# Altium PCB GS_V1.PcbDoc
Units mil, origin at the board's own origin, x right, y up, seen from the top; angles counter-clockwise.
Board outline 2895 x 1920 mil, 4 copper layers (Top Layer, GND, POWER, Bottom Layer), stack 23.756 mil thick; 62 components, 29 nets, 159 pads, 75 vias.
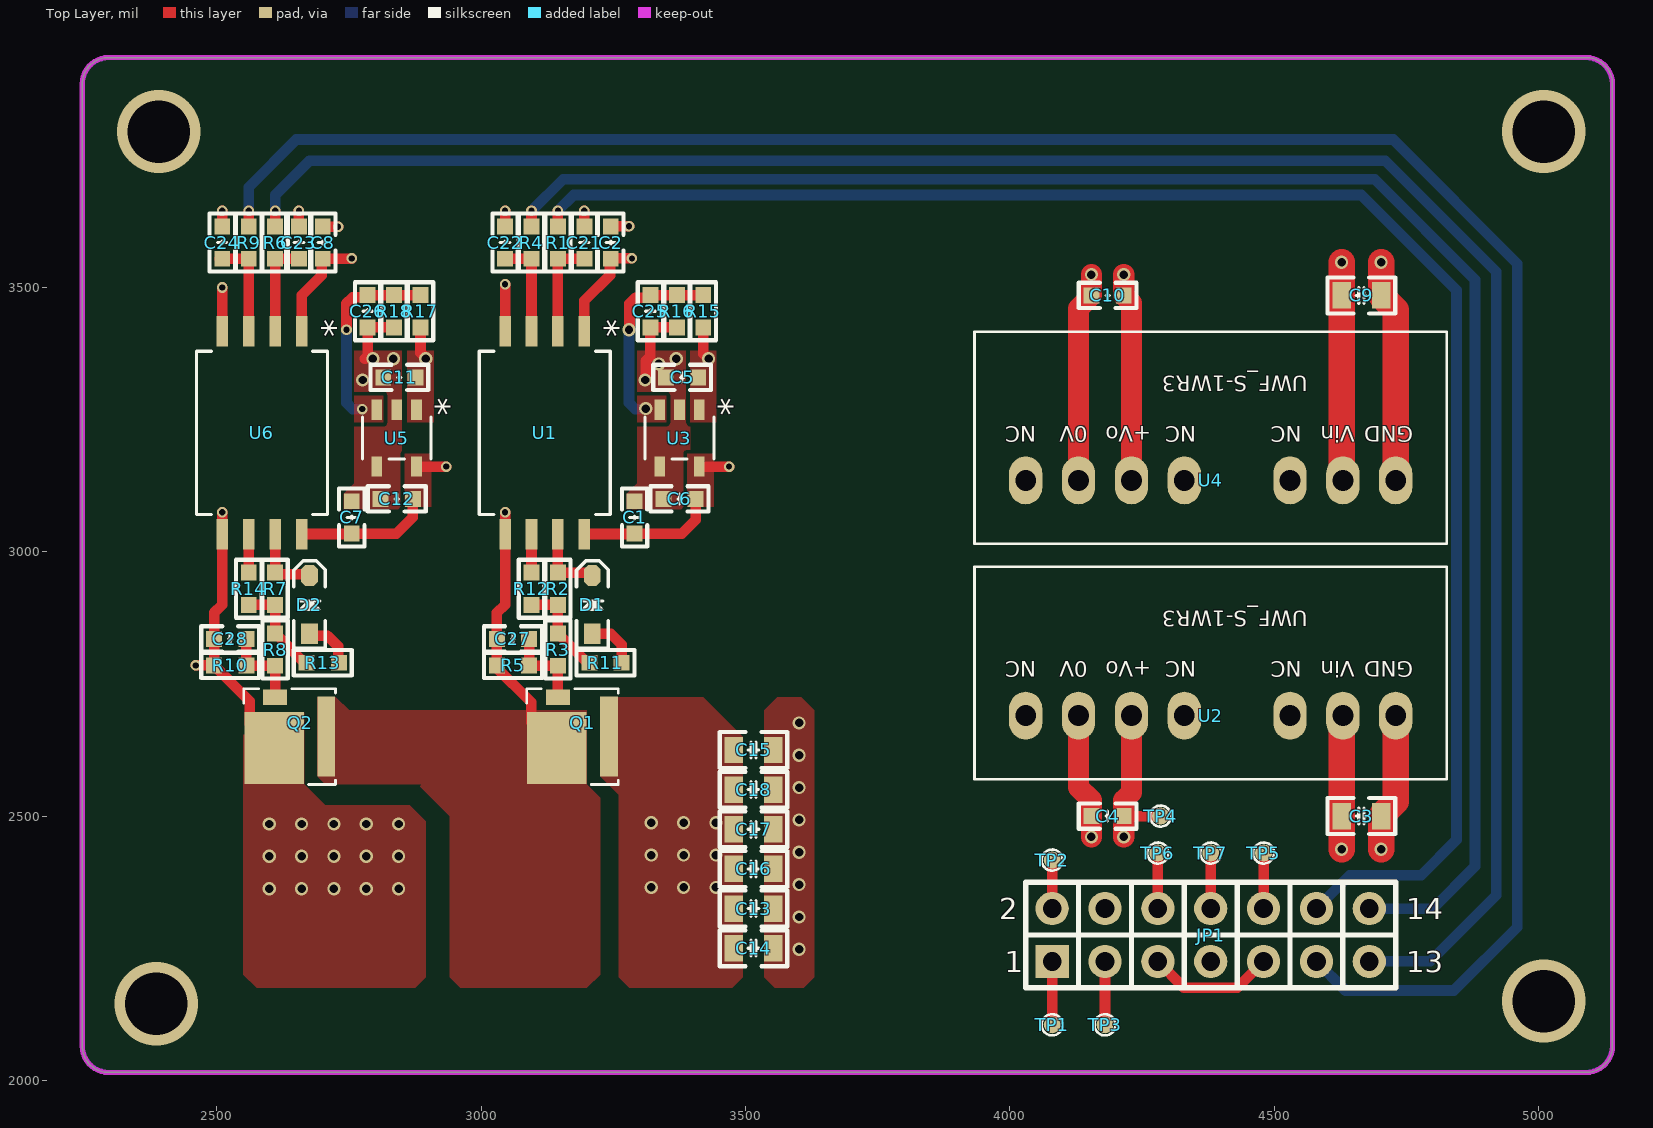
[diagram p0: Top Layer view]
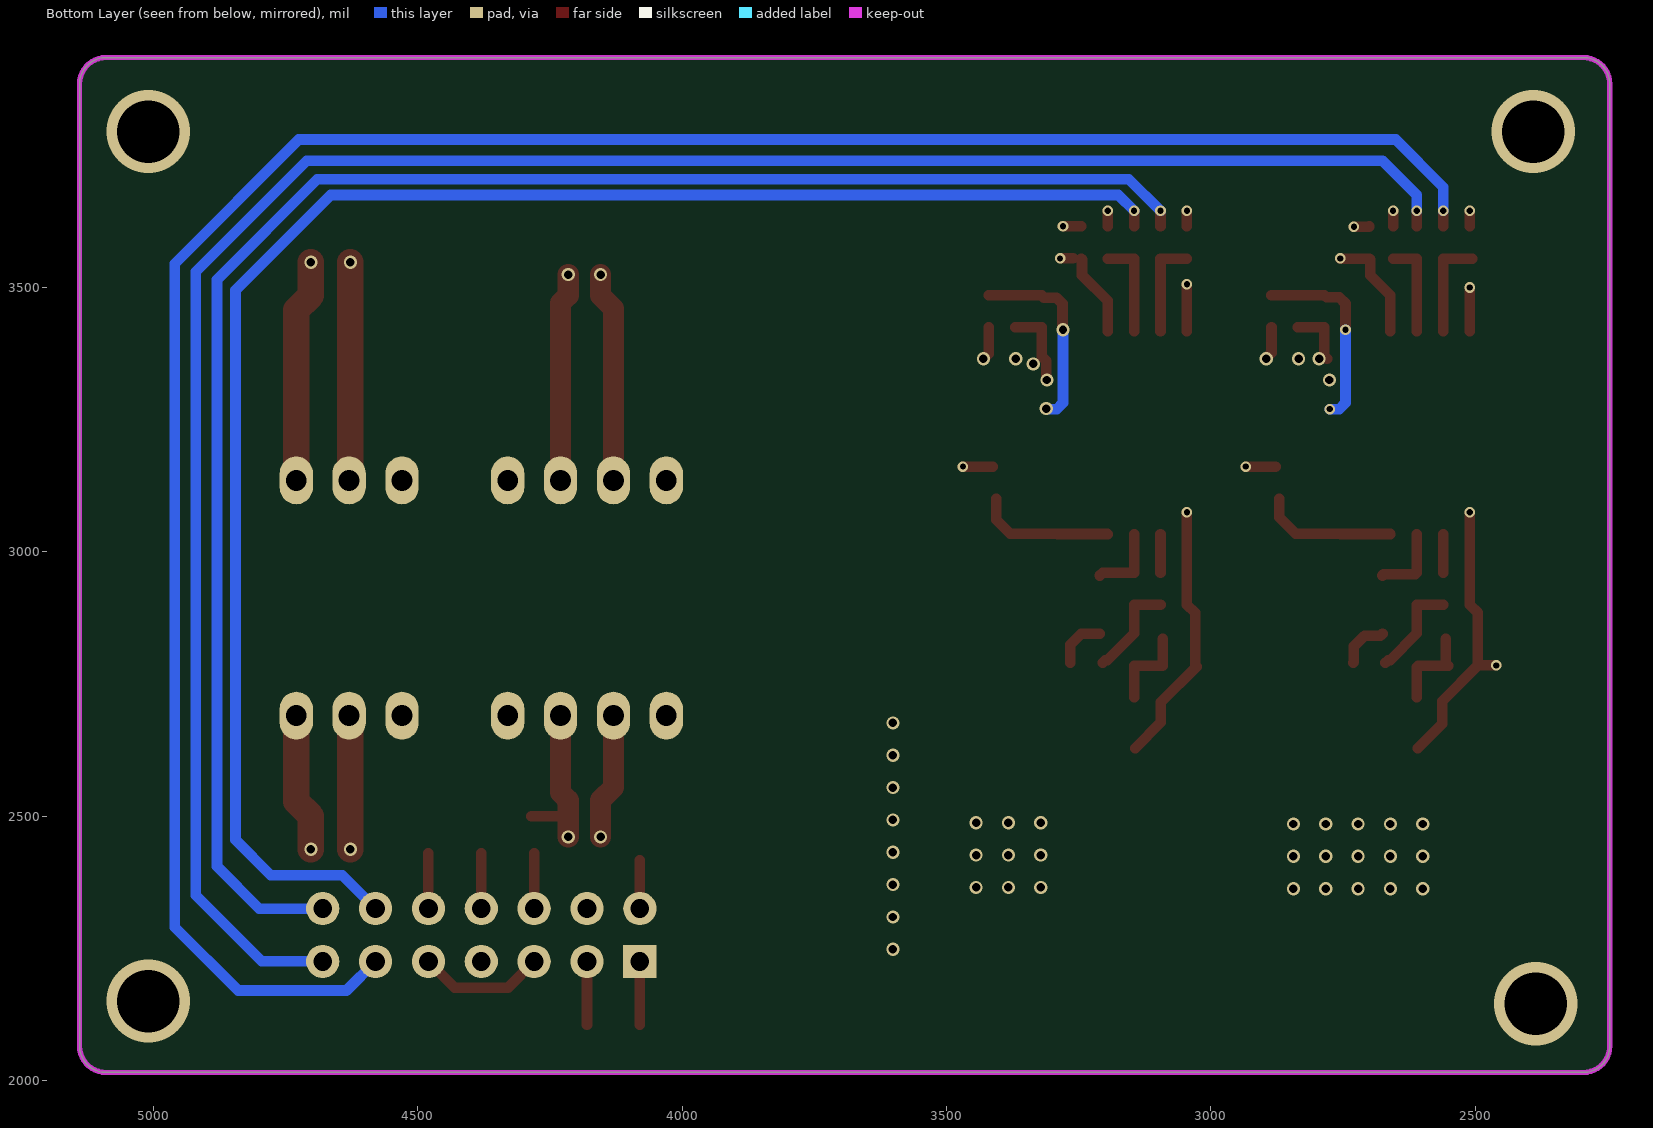
[diagram p1: Bottom Layer view, seen from below]
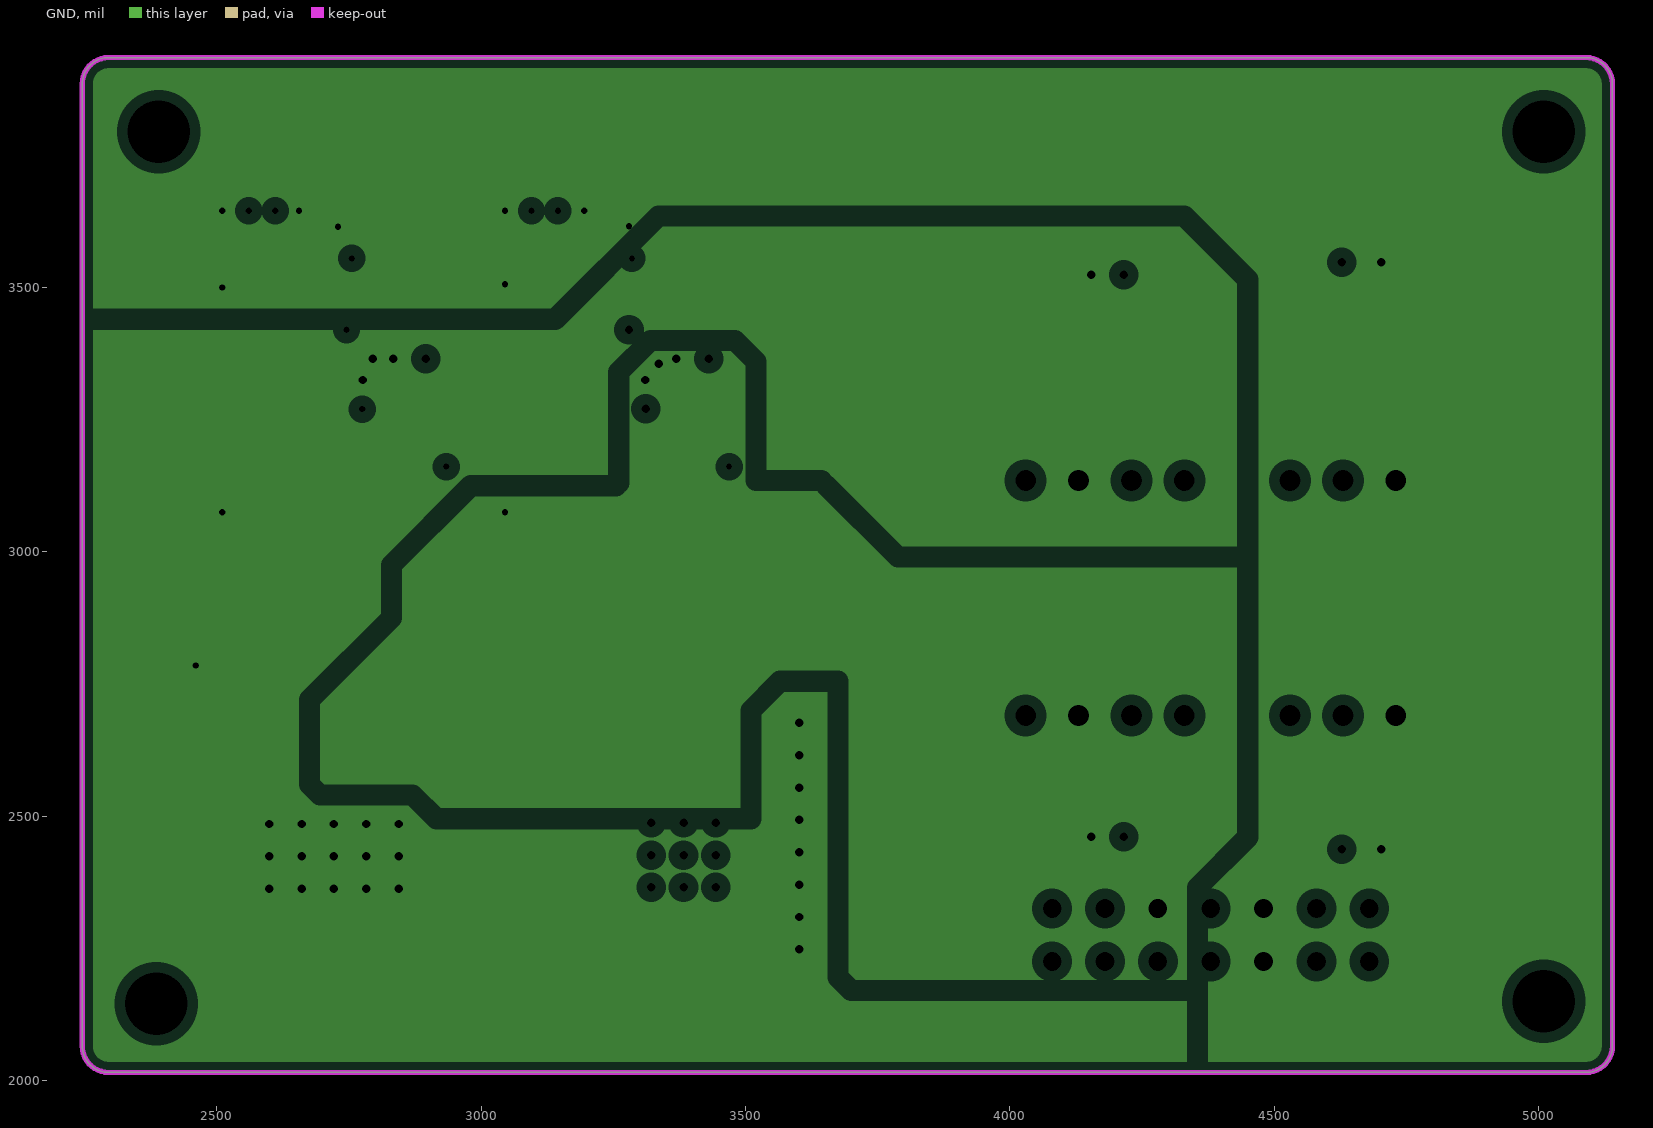
[diagram p2: GND, clearances drawn from the general rule]
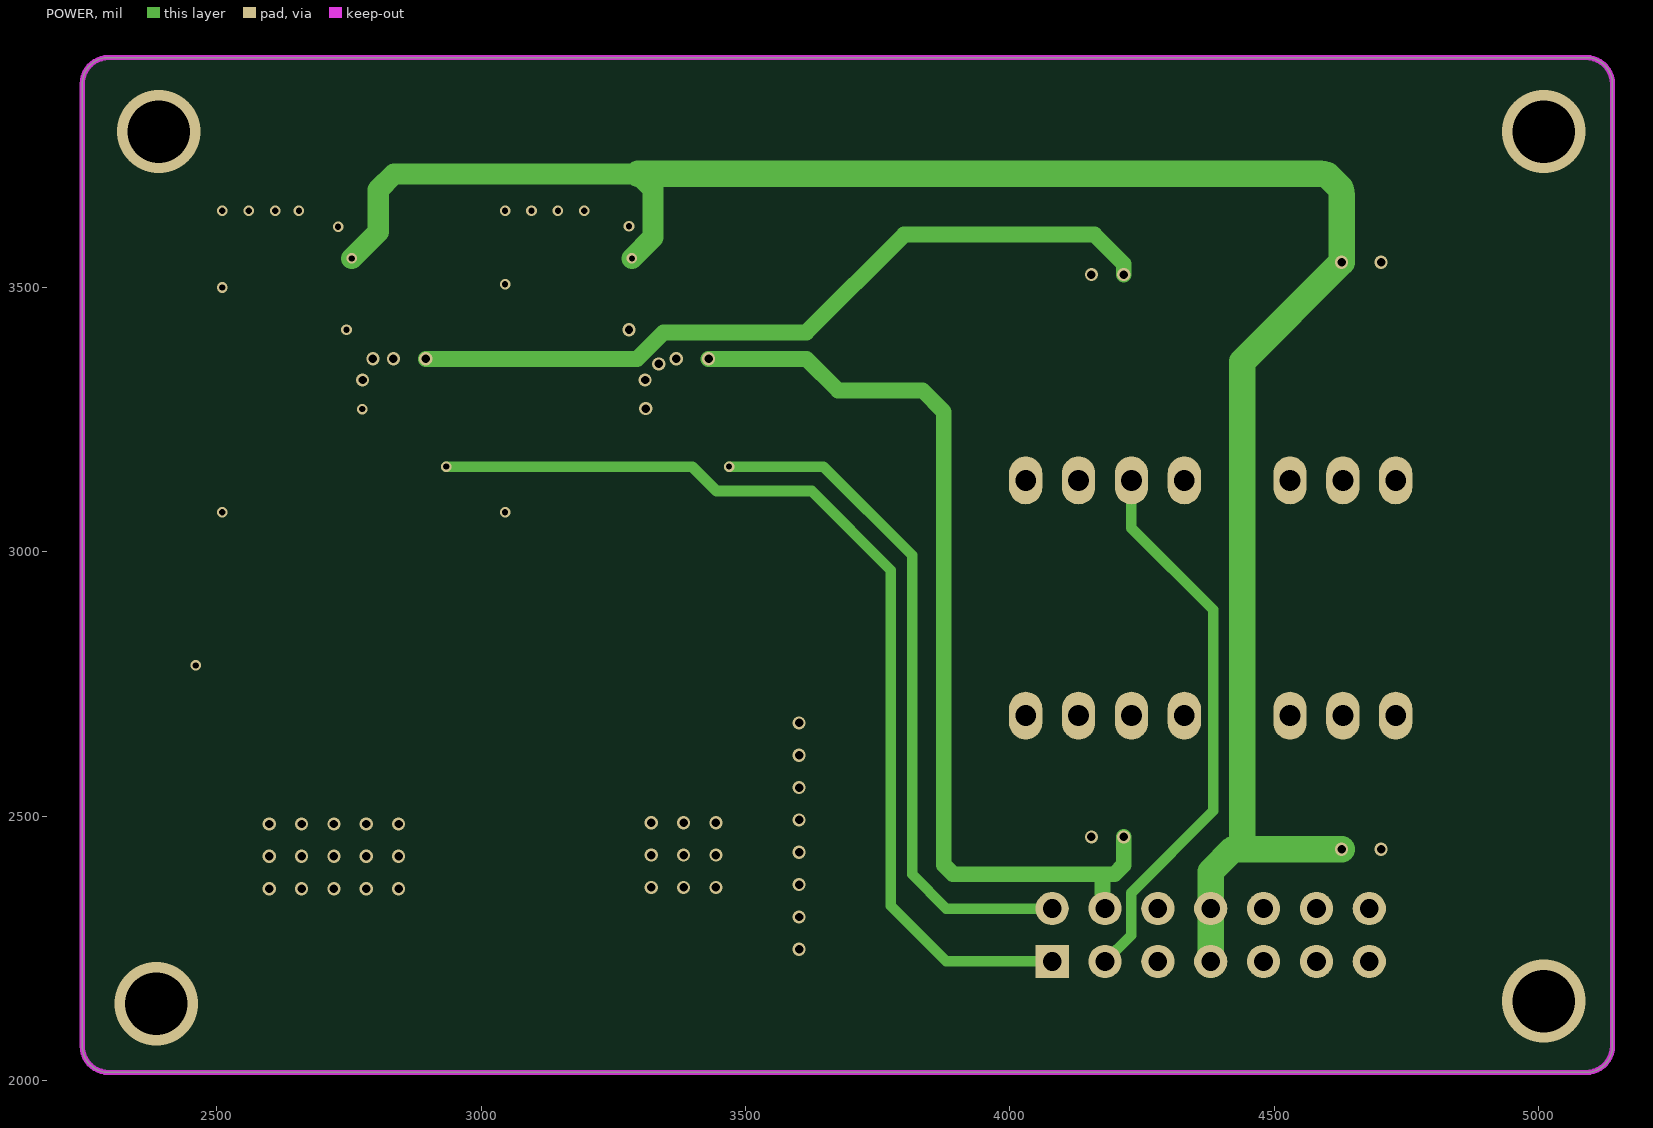
[diagram p3: POWER]

## Layer stack, top to bottom
Top Solder: solder mask 0.4, Solder Resist, Dk 3.5
Top Layer: signal copper 1.4
Dielectric 2: prepreg 2.8, PP-006, Dk 4.1
GND: plane copper 1.378, net (Multiple Nets)
Dielectric 1: dielectric 12.6, FR-4, Dk 4.8
POWER: signal copper 1.378
Dielectric 3: prepreg 2.8, PP-006, Dk 4.1
Bottom Layer: signal copper 1.4
Bottom Solder: solder mask 0.4, Solder Resist, Dk 3.5

## Board outline
2245,2065 2245,3885 cw(c2295,3885) 2295,3935 5090,3935 cw(c5090,3885) 5140,3885 5140,2065 cw(c5090,2065) 5090,2015 2295,2015 cw(c2295,2065)

## Design rules (kind name [scope] priority, off if disabled: settings)
Clearance [All] p1: gap=8 ignorepadtopadclearanceinfootprint=FALSE
PlaneClearance [All] p1: clearance=20
PlaneConnect PlaneConnect_1 [InNet('PGND') or  InNet('SW')] p1: planeconnectstyle=Direct reliefexpansion=20 reliefentries=4 reliefconductorwidth=10 reliefairgap=10
PlaneConnect [InNet('AGND')] p2: planeconnectstyle=Direct reliefexpansion=20 reliefentries=4 reliefconductorwidth=10 reliefairgap=10
PolygonConnect [All] p1: connectstyle=Direct reliefconductorwidth=10 reliefentries=4 polygonreliefangle="90 Angle" airgapwidth=10
RoutingVias [All] p1: holewidth=10 width=20 viastyle="Through Hole" minholewidth=5 minwidth=10 maxholewidth=30 maxwidth=50
SolderMaskExpansion [All] p1: expansion=4 istentingtop=FALSE
Width [All] p1: maxlimit=50 minlimit=5 preferedwidth=10 minimp=50.000000 maximp=50.000000 favimp=50.000000
28 further rules are at their usual default settings.

## Components (designator, comment, footprint, x,y, rotation, side; value= is the part's Value field where it differs from the comment)
C1 "1u" "C 0603_L" 3290,3065 r90 top
C2 "100n" "C 0603_L" 3245,3585 r90 top
C3 "100u" "C 0805_L" 4665,2500 r180 top
C4 "22u" "C 0603_L" 4185,2500 r0 top
C5 "4.7u" "C 0603_L" 3380,3330 r0 top
C6 "2.2u" "C 0603_L" 3375,3100 r0 top
C7 "1u" "C 0603_L" 2755,3065 r90 top
C8 "100n" "C 0603_L" 2700,3585 r90 top
C9 "100u" "C 0805_L" 4665,3485 r180 top
C10 "22u" "C 0603_L" 4185,3485 r0 top
C11 "4.7u" "C 0603_L" 2845,3330 r0 top
C12 "2.2u" "C 0603_L" 2840,3100 r0 top
C13 "0.022u" "C 0805_L" 3515,2325 r180 top
C14 "0.022u" "C 0805_L" 3515,2250 r180 top
C15 "0.1u" "C 0805_L" 3515,2625 r180 top
C16 "0.1u" "C 0805_L" 3515,2400 r180 top
C17 "0.1u" "C 0805_L" 3515,2475 r180 top
C18 "0.1u" "C 0805_L" 3515,2550 r180 top
C21 "47p" "C 0603_L" 3195,3585 r90 top
C22 "47p" "C 0603_L" 3045,3585 r270 top
C23 "47p" "C 0603_L" 2655,3585 r270 top
C24 "47p" "C 0603_L" 2510,3585 r270 top
C25 "10u" "C 0603_L" 3320,3455 r90 top
C26 "10u" "C 0603_L" 2785,3455 r90 top
C27 "NDP" "C 0603_L" 3060,2835 r180 top
C28 "NDP" "C 0603_L" 2525,2835 r180 top
D1 "RF01VM2STE-17" SOD-323 3210,2900 r90 top
D2 "RF01VM2STE-17" SOD-323 2675,2900 r90 top
JP1 "Header 2X7" HDR2.54-LI-2x7P 4380,2275 r0 top
Q1 "GS61004B" GS61004B 3172.56,2650.2 r270 top
Q2 "GS61004B" GS61004B 2637.56,2650.2 r270 top
R1 "10" "R 0603_L" 3145,3585 r270 top
R2 "10" "R 0603_L" 3145,2930 r270 top
R3 "0" "R 0603_L" 3145,2815 r270 top
R4 "10" "R 0603_L" 3095,3585 r270 top
R5 "10k" "R 0603_L" 3060,2785 r0 top
R6 "10" "R 0603_L" 2610,3585 r270 top
R7 "10" "R 0603_L" 2610,2930 r270 top
R8 "0" "R 0603_L" 2610,2815 r270 top
R9 "10" "R 0603_L" 2560,3585 r270 top
R10 "10k" "R 0603_L" 2525,2785 r0 top
R11 "0" "R 0603_L" 3235,2790 r180 top
R12 "0" "R 0603_L" 3095,2930 r270 top
R13 "0" "R 0603_L" 2700,2790 r180 top
R14 "0" "R 0603_L" 2560,2930 r270 top
R15 "4k" "R 0603_L" 3420,3455 r270 top
R16 "5k" "R 0603_L" 3370,3455 r90 top
R17 "4k" "R 0603_L" 2885,3455 r270 top
R18 "5k" "R 0603_L" 2835,3455 r90 top
TP1 "测试点" tp32 4080,2105 r90 top
TP2 "测试点" tp32 4080,2416.75 r90 top
TP3 "测试点" tp32 4180,2105 r90 top
TP4 "测试点" tp32 4285,2500 r90 top
TP5 "测试点" tp32 4480,2430 r90 top
TP6 "测试点" tp32 4280,2430 r90 top
TP7 "测试点" tp32 4380,2430 r90 top
U1 "ADUM4121-1ARIZ" RI-8-1_ADI 3120,3225 r270 top
U2 "UWF_S-1WR3" UWF_S-1WR3 4380,2690 r180 top
U3 "TPS70960DBVR" DBV5_TEX 3375,3215 r270 top
U4 "UWF_S-1WR3" UWF_S-1WR3 4380,3135 r180 top
U5 "TPS70960DBVR" DBV5_TEX 2840,3215 r270 top
U6 "ADUM4121-1ARIZ" RI-8-1_ADI 2585,3225 r270 top

## Footprints (in the part's own frame and the unit in brackets; to place one, negate y for a bottom-side part, rotate by r counter-clockwise, add the part's x,y. Pads: shape width x height; smd on the part's side, far side on the other; paste and mask are expansions set on the pad)
"C 0603_L" [mil] "无极性贴片电容"
  rect 30x30 smd: 1(-30.59,0) 2(30.59,0)
  silkscreen extent -55,-24 55,24, body extent -31,-16 31,16, height 32
"C 0805_L" [mil] "无极性贴片电容"
  rect 35x50 smd: 1(-37.4,0) 2(37.4,0)
  silkscreen extent -64,-34 64,34, body extent -39,-24 39,24, height 20
DBV5_TEX [mil]
  rect 38.5x20 smd paste+0 mask+0: 1(-53.75,37.4) 2(-53.75,0) 3(-53.75,-37.4) 4(53.75,-37.4) 5(53.75,37.4)
  silkscreen extent -40,-65 40,65, body extent -59,-60 59,60, height 57
GS61004B [mm] "GAN TRANS E-MODE 100V 45A"
  rect 3.85x0.85 smd paste-2: D(0,1.75)
  rect 0.75x1.15 smd paste-2: G(-1.9,-0.7)
  rect 3.45x2.85 smd paste-5: S(0.55,-0.75)
  silkscreen extent -2.3,-2.2 2.3,2.2, body extent -2.29,-2.22 2.29,2.22, height 0.5
HDR2.54-LI-2x7P [mm] "双排排针，7x2脚"
  rect 1.6x1.6 hole 0.9: 1(-7.62,-1.27)
  round 1.6 hole 0.9: 2(-7.62,1.27) 3(-5.08,-1.27) 4(-5.08,1.27) 5(-2.54,-1.27) 6(-2.54,1.27) 7(0,-1.27) 8(0,1.27) 9(2.54,-1.27) 10(2.54,1.27) 11(5.08,-1.27) 12(5.08,1.27) 13(7.62,-1.27) 14(7.62,1.27)
  silkscreen extent -8.89,-2.54 8.89,2.54, body extent -8.89,-2.54 8.89,2.54, height 8.5
"R 0603_L" [mil] "1/10W贴片电阻"
  rect 30x30 smd: 1(-30.59,0) 2(30.59,0)
  silkscreen extent -55,-24 55,24, body extent -31,-16 32,16, height 16
RI-8-1_ADI [mil]
  rect 58x22 smd paste+0 mask+0: 1(-192,75) 2(-192,25) 3(-192,-25) 4(-192,-75) 5(192,-75) 6(192,-25) 7(192,25) 8(192,75)
  silkscreen extent -155,-124 155,124, body extent -207,-119 207,119, height 104
SOD-323 [mm] "1.8x1.3X0.9mm（长宽高，不包括引脚）"
  rect 1x0.8 smd: 1(-1.4,0)
  oct 1x0.8 smd: 2(1.4,0)
  silkscreen extent -2.11,-0.76 2.11,0.76, body extent -1.34,-0.63 1.31,0.67, height 1
tp32 [mil]
  round 32 smd: 1(0,0)
  silkscreen extent -20,-20 20,20
UWF_S-1WR3 [mm]
  oval 1.6x2.3 hole 1: 1(-8.89,0) 2(-6.35,0) 3(-3.81,0) 5(1.27,0) 6(3.81,0) 7(6.35,0) 8(8.89,0)
  silkscreen extent -11.35,-7.15 11.35,3.05

## Part data
C1 C2 C3 C4 C5 C6 C7 C8 C9 C10 C11 C12 C13 C14 C15 C16 C17 C18 C21 C22 C23 C24 C25 C26 C27 C28: library part C, "无极性贴片电容", BOM名称=无极性贴片电容, 学习资源=www.ooocke.com, 材质=X7R, 版权归属=源创客
D1 D2: library part 1N5819, "肖特基二极管", BOM名称=肖特基二极管, 学习资源=www.ooocke.com, 属性=40V/2A, 版权归属=源创客
JP1: library part "Header 7X2", "7*2P接插件", BOM名称=7*2P接插件, 学习资源=www.ooocke.com, 版权归属=源创客
Q1 Q2: "GAN TRANS E-MODE 100V"
R1 R2 R3 R4 R5 R6 R7 R8 R9 R10 R11 R12 R13 R14 R15 R16 R17 R18: library part R, "贴片电阻", BOM名称=贴片电阻, 学习资源=www.ooocke.com, 版权归属=源创客
TP1 TP2 TP3 TP4 TP5 TP6 TP7: library part TestPoint, 元件描述=电源和信号测试点, 是否安装=否, 贴片和直插=机械组装
U1 U6: "No Description Available", Mfr_Name="Analog Devices Inc", RefDes=RefDes, Type="Isolators - Gate Drivers"
U3 U5: "No Description Available", Mfr_Name="Texas Instruments", RefDes=RefDes, Type=Type

## Via types
v1: diameter 25, hole 16, Top Layer to Bottom Layer, 50 vias
v2: diameter 20, hole 12, Top Layer to Bottom Layer, 21 vias
v3: diameter 157.48, hole 118.11, Top Layer to Bottom Layer, 4 vias

## Nets (pads, with @x,y where several pads share a name; then routed paths per layer and width w, separated by ;. In a path a pad name is that pad's centre, name@x,y a point inside that pad or via, vN(x,y) a via of type N, cw(c..) or ccw(c..) an arc to the next point about the centre after c; other vN are vias at no path point)
+9V_ISO_B: C10.2 C11.2 JP1.3 R17.2 TP3.1 U4.6 U5.1 | length 3099
  Top Layer w20: R17.2 2885,3376.35 2895,3366.35 v1(2895,3365) ; TP3.1 JP1.3
  Top Layer w40: v1(4215.59,3524.41) C10.2 4230,3470.59 U4.6
  POWER w20: JP1.3 4229.5,2274.5 4229.5,2354.5 4385,2510 4385,2890 4230,3045 U4.6
  POWER w30: v1(2895,3365) 3295,3365 3345,3415 3615,3415 3800,3600 4160,3600 4215.59,3544.41 v1(4215.59,3524.41)
+9V_ISO_T: C4.2 C5.2 JP1.4 R15.2 TP4.1 U2.6 U3.1 | length 2201.2
  Top Layer w20: R15.2 3420,3375 v1(3430,3365) ; C4.2 TP4.1
  Top Layer w40: v1(4215.59,2460.59) C4.2 4215.59,2530 4230,2544.41 U2.6
  POWER w20: U2.6@4230,2676.22 U2.6
  POWER w30: v1(3430,3365) 3615,3365 3675,3305 3835,3305 3875,3265 3875,2407.57 3892.57,2390 4175,2390 ; JP1.4 4175,2330 4175,2390 ; v1(4215.59,2460.59) 4215.59,2407.57 4198.02,2390 4175,2390
AGND: C2.2 C3.1 C8.2 C9.1 C21.2 C22.1 C23.1 C24.1 JP1.5 JP1.9 JP1.10 TP5.1 U1.4 U2.1 U4.1 U6.4 | length 1387.4
  Top Layer w20: U6.4 v2(2510,3500) ; C24.1 v2(2510,3645) ; C23.1 v2(2655,3645) ; C8.2 2700.59,3615 v2(2729,3615) ; U1.4 v2(3045,3506) ; C22.1 v2(3045,3645) ; C21.2 v2(3195,3645) ; C2.2 v2(3279.41,3615.59) ; JP1.5 4329.5,2175.5 4430.5,2175.5 JP1.9 ; JP1.10 TP5.1
  Top Layer w50: v1(4702.4,2437.4) C3.1 4730,2527.6 U2.1 ; v1(4702.4,3547.61) C9.1 4730,3457.41 U4.1
Bot_IN+: JP1.13 R6.1 | length 3955.1
  Top Layer w20: R6.1 v2(2610,3645)
  Bottom Layer w20: v2(2610,3645) 2610,3675 2675,3740 4710,3740 4920,3530 4920,2350 4795,2225 JP1.13
Bot_IN-: JP1.11 R9.1 | length 4316.5
  Top Layer w20: R9.1 v2(2560,3645)
  Bottom Layer w20: v2(2560,3645) 2560,3690 2650,3780 4725,3780 4960,3545 4960,2290 4840,2170 4635,2170 JP1.11
HVBUS: C13.2 C14.2 C15.2 C16.2 C17.2 C18.2 Q1.D
  other v1: 3321.46,2365 3382.64,2365 3443.82,2365 3321.46,2426.18 3382.64,2426.18 3443.82,2426.18 3321.46,2487.36 3382.64,2487.36 3443.82,2487.36
NetC21_1: C21.1 R1.2 U1.2 | length 187.4
  Top Layer w20: U1.2 3145,3489.41 R1.2 C21.1
NetC22_2: C22.2 R4.2 U1.3 | length 187.4
  Top Layer w20: C22.2 R4.2 U1.3
NetC23_2: C23.2 R6.2 U6.2 | length 182.4
  Top Layer w20: U6.2 R6.2 C23.2
NetC24_2: C24.2 R9.2 U6.3 | length 192.4
  Top Layer w20: C24.2@2505,3554.41 R9.2 U6.3
NetC25_2: C25.2 R15.1 R16.2 U3.3 | length 369.1
  Top Layer w20: v1(3279.5,3420) 3280.46,3420.96 3280.46,3469.28 3292.17,3480.99 3315.4,3480.99 C25.2 R16.2 R15.1
  Bottom Layer w20: v1(3279.5,3420) 3279.5,3281.72 3291.22,3270 v1@3309.5,3270
  other v1: 3310.96,3270.96
NetC26_2: C26.2 R17.1 R18.2 U5.3 | length 369.4
  Top Layer w20: v2(2745,3420) 2745,3469.73 2756.72,3481.45 2780.86,3481.45 C26.2 R18.2 R17.1
  Bottom Layer w20: v2(2745,3420) 2745,3281.72 2756.72,3270 v2(2775,3270)
NetC27_1: C27.1 Q1.G R3.2 R5.2 | length 162.6
  Top Layer w20: R5.2 C27.1 ; R5.2@3091.18,2784.41 R3.2@3144.41,2784.41 ; Q1.G R3.2
NetC28_1: C28.1 Q2.G R8.2 R10.2 | length 167.1
  Top Layer w20: R10.2@2550.89,2784.7 2607.15,2784.7 2610,2781.85 Q2.G ; R10.2 C28.1
NetD1_1: D1.1 R11.1 | length 98.5
  Top Layer w20: D1.1 3215.75,2844.88 3245.12,2844.88 3265.59,2824.41 R11.1
NetD1_2: D1.2 R2.1 U1.7 | length 139.7
  Top Layer w20: U1.7 R2.1 3204.53,2960.59 D1.2
NetD2_1: D2.1 R13.1 | length 95.6
  Top Layer w20: D2.1 2678.87,2841.01 2708.99,2841.01 2729.08,2820.92 2729.08,2791.51 R13.1
NetD2_2: D2.2 R7.1 U6.7 | length 139.7
  Top Layer w20: U6.7 R7.1 2612.74,2957.85 2672.26,2957.85 D2.2
NetR2_2: R2.2 R3.1 R11.2 R12.2 | length 186.3
  Top Layer w20: R12.2 R2.2 R3.1 3195.59,2795 3199.41,2795 R11.2
NetR7_2: R7.2 R8.1 R13.2 R14.2 | length 186.3
  Top Layer w20: R14.2 R7.2 R8.1 2660.59,2795 2664.41,2795 R13.2
NetR12_1: R12.1 U1.6 | length 72.4
  Top Layer w20: R12.1 U1.6
NetR14_1: R14.1 U6.6 | length 72.4
  Top Layer w20: R14.1 U6.6
PGND: C7.2 C10.1 C11.1 C12.1 C13.1 C14.1 C15.1 C16.1 C17.1 C18.1 C26.1 C28.2 Q2.S R10.1 R18.1 U4.7 U5.2 U5.4 U6.5 | length 1045.4
  Top Layer w20: v2(2460,2785) R10.1 ; v2(2510,3075) U6.5 2510,2900 2494.41,2884.41 R10.1 ; Q2.S 2561.93,2674.65 2561.93,2717.48 R10.1 ; 2780,3365 2785,3370 C26.1 R18.1
  Top Layer w40: U4.7 4130,3460.59 C10.1 v1(4154.41,3524.41)
  other v1: 3601.18,2247.91 3601.18,2309.09 2598.82,2362.64 2660,2362.64 2721.18,2362.64 2782.36,2362.64 2843.54,2362.64 3601.18,2370.28 2598.82,2423.82 2660,2423.82 2721.18,2423.82 2782.36,2423.82 2843.54,2423.82 3601.18,2431.46 2598.82,2485 2660,2485 2721.18,2485 2782.36,2485 2843.54,2485 3601.18,2492.64 3601.18,2553.82 3601.18,2615 3601.18,2676.18 2775.5,3325 2795,3365 2833.82,3365
SW: C1.2 C4.1 C5.1 C6.1 C25.1 C27.2 JP1.6 Q1.S Q2.D R5.1 R16.1 TP6.1 U1.5 U2.7 U3.2 U3.4 | length 996.6
  Top Layer w20: R5.1@3026.91,2782.5 3094.43,2714.98 3094.43,2677.15 Q1.S ; R5.1 3029.41,2884.41 3045,2900 v2(3045,3075) ; v1(3310,3325) 3310.96,3325.96 3310.96,3360.96 3320,3370 C25.1 R16.1 ; JP1.6 TP6.1
  Top Layer w40: U2.7 4130,2554.41 4154.41,2530 C4.1 v1(4154.41,2460.59)
  other v1: 3335.72,3355.52 3368.82,3365
Top_IN+: JP1.12 R1.1 | length 3175.2
  Top Layer w20: R1.1 v2(3145,3645)
  Bottom Layer w20: v2(3145,3645) 3175,3675 4665,3675 4845,3495 4845,2455 4777.95,2387.95 4642.95,2387.95 JP1.12
Top_IN-: JP1.14 R4.1 | length 3261.1
  Top Layer w20: R4.1 v2(3095,3645)
  Bottom Layer w20: v2(3095,3645) 3155,3705 4690,3705 4880,3515 4880,2405 4800,2325 JP1.14
VCC5V: C2.1 C3.2 C8.1 C9.2 JP1.7 JP1.8 TP7.1 U1.1 U2.2 U4.2 U6.1 | length 5119.6
  Top Layer w20: U6.1 2660,3485 2698.49,3523.49 2698.49,3552.9 C8.1 2754.41,3554.41 v2(2755,3555) ; U1.1 3195,3475 3243.49,3523.49 3243.49,3552.9 C2.1 ; 3260.59,3555 v2(3285,3555) ; JP1.8 TP7.1
  Top Layer w50: v1(4627.6,2437.4) C3.2 4627.6,2687.6 U2.2 ; v1(4627.6,3547.61) C9.2 4627.6,3137.4 U4.2
  POWER w40: v2(2755,3555) 2805,3605 2805,3685 2835,3715 3296.57,3715 3325,3686.57 3325,3595 v2(3285,3555)
  POWER w50: 3296.57,3715 4587.6,3715 cw(c4587.6,3675) 4600.42,3712.89 4625.49,3687.82 cw(c4587.6,3675) 4627.6,3675 v1(4627.6,3547.61) 4440,3360.01 4440,2437.4 ; JP1.7@4380,2219 JP1.7 JP1.8 4380,2395 4422.4,2437.4 4440,2437.4 ; U4.2@4627.51,3132.51 U4.2 ; v1(4627.6,2437.4) 4440,2437.4
VDD_6_B: C7.1 C12.2 JP1.1 TP1.1 U5.5 U6.8 | length 2340.9
  Top Layer w20: U6.8 2660.7,3033.7 2754.3,3033.7 C7.1 2839.41,3034.41 2870.59,3065.59 C12.2 ; U5.5@2877.4,3161.25 v2(2933.75,3161.25) ; TP1.1 JP1.1
  POWER w20: v2(2933.75,3161.25) 3398.75,3161.25 3445,3115 3625,3115 3775,2965 3775,2330 3880,2225 JP1.1
VDD_6_T: C1.1 C6.2 JP1.2 TP2.1 U1.8 U3.5 | length 1720.6
  Top Layer w20: U1.8 3195.7,3033.7 3289.3,3033.7 C1.1 3379.41,3034.41 3405.59,3060.59 C6.2 ; U3.5 v2(3468.75,3161.25) ; JP1.2 TP2.1
  POWER w20: v2(3468.75,3161.25) 3647.18,3161.25 3815,2993.43 3815,2390 3880,2325 JP1.2
pads on no net: U2.3 U2.5 U2.8 U4.3 U4.5 U4.8
copper on no net:
  other v3: 2385,2145 5010,2150 2390,3795 5010,3795

## Polygon pours and split planes (outlines as drawn)
SW on Top Layer "NONET_L-01_P-001" (solid, pour order 4): 3395,3380 3295,3380 3295,3295 3350,3295 3350,3245 3295,3245 3295,3130 3275,3110 3275,3080 3395,3080
PGND on Top Layer "NONET_L-01_P-001" (solid, pour order 20): 3535,2675 3535,2670 3535,2195 3555,2175 3610,2175 3630,2195 3630,2700 3605,2725 3560,2725 3535,2700
SW on Top Layer "NONET_L-01_P-001" (solid, pour order 19): 2880,2560 2940,2500 2940,2195 2960,2175 3200,2175 3225,2200 3225,2535 3200,2560
PGND on Top Layer "NONET_L-01_P-001" (solid, pour order 17): 2665,2560 2705,2520 2865,2520 2895,2490 2895,2195 2875,2175 2575,2175 2550,2200 2550,2695 2665,2695
HVBUS on Top Layer "NONET_L-01_P-001" (solid, pour order 16): 3225,2575 3260,2540 3260,2195 3280,2175 3475,2175 3495,2195 3495,2650 3420,2725 3225,2725
SW on Top Layer "NONET_L-01_P-001" (solid, pour order 14): 3200,2700 3200,2560 2705,2560 2690,2575 2690,2725 2725,2725 2750,2700 3085,2700
+9V_ISO_B on Top Layer "NONET_L-01_P-001" (solid, pour order 9): 2860,3380 2860,3245 2910,3245 2910,3380
NetC26_2 on Top Layer "NONET_L-01_P-001" (solid, pour order 10): 2815,3295 2760,3295 2760,3245 2815,3245
VDD_6_B on Top Layer "NONET_L-01_P-001" (solid, pour order 11): 2855,3085 2855,3185 2905,3185 2905,3085
PGND on Top Layer "NONET_L-01_P-001" (solid, pour order 12): 2850,3380 2760,3380 2760,3295 2815,3295 2815,3245 2760,3245 2760,3130 2740,3110 2740,3080 2850,3080
+9V_ISO_T on Top Layer "NONET_L-01_P-001" (solid, pour order 0): 3395,3380 3395,3245 3445,3245 3445,3380
VDD_6_T on Top Layer "NONET_L-01_P-001" (solid, pour order 3): 3390,3085 3390,3185 3440,3185 3440,3085
NetC25_2 on Top Layer "NONET_L-01_P-001" (solid, pour order 1): 3350,3295 3295,3295 3295,3245 3350,3245
no net on Top Solder "NONET_L-01_P-001" (solid): 3260,2335 3260,2195 3280,2175 3475,2175 3495,2195 3495,2330 3490,2335
no net on Top Solder "NONET_L-01_P-001" (solid): 2940,2335 2940,2195 2960,2175 3200,2175 3225,2200 3225,2335
no net on Top Solder "NONET_L-01_P-001" (solid): 2550,2200 2575,2175 2875,2175 2895,2195 2895,2330 2890,2335 2550,2335
SW on GND (split plane): 3499.9,3351.68 3499.9,3135 3500.29,3131.08 3501.43,3127.31 3503.29,3123.83 3505.79,3120.79 3508.83,3118.29 3512.31,3116.43 3516.08,3115.29 3520,3114.9 3635.99,3114.9 3636.56,3113.83 3639.06,3110.79 3774.06,2975.79 3777.1,2973.29 3780.58,2971.43 3784.35,2970.29 3788.27,2969.9 4429.9,2969.9 4429.9,2925 4429.9,2590 4429.9,2468.32 4340.79,2379.21 4338.29,2376.17 4336.43,2372.69 4335.29,2368.92 4334.9,2365 4334.9,2190.1 3708.32,2190.1 3695.1,2203.32 3695.1,2295 3695.1,2715 3695.1,2745 3695.1,2755 3694.71,2758.92 3693.57,2762.69 3691.71,2766.17 3689.21,2769.21 3686.17,2771.71 3682.69,2773.57 3678.92,2774.71 3675,2775.1 3565,2775.1 3561.08,2774.71 3557.31,2773.57 3553.83,2771.71 3550.79,2769.21 3495.79,2714.21 3493.29,2711.17 3491.43,2707.69 3490.29,2703.92 3489.9,2700 3489.9,2515.1 2923.32,2515.1 2884.21,2554.21 2881.17,2556.71 2877.69,2558.57 2873.92,2559.71 2870,2560.1 2703.32,2560.1 2695.1,2568.32 2695.1,2711.68 2844.21,2860.79 2846.71,2863.83 2848.57,2867.31 2849.71,2871.08 2850.1,2875 2850.1,2966.68 2988.32,3104.9 3255,3104.9 3258.92,3105.29 3262.69,3106.43 3266.17,3108.29 3269.21,3110.79 3271.46,3113.54 3274.21,3115.79 3276.71,3118.83 3278.57,3122.31 3279.71,3126.08 3280.1,3130 3280.1,3331.68 3328.32,3379.9 3471.68,3379.9
PGND on GND (split plane): 4429.9,3506.68 4429.9,3010.1 3796.59,3010.1 3667.48,3139.21 3664.43,3141.71 3661.53,3143.26 3659.98,3146.17 3657.48,3149.21 3654.43,3151.71 3650.96,3153.57 3647.19,3154.71 3643.27,3155.1 3540.1,3155.1 3540.1,3360 3539.71,3363.92 3538.57,3367.69 3536.71,3371.17 3534.21,3374.21 3494.21,3414.21 3491.17,3416.71 3487.69,3418.57 3483.92,3419.71 3480,3420.1 3320,3420.1 3316.08,3419.71 3312.31,3418.57 3308.83,3416.71 3305.79,3414.21 3245.79,3354.21 3243.29,3351.17 3241.43,3347.69 3240.29,3343.92 3239.9,3340 3239.9,3145.1 2980,3145.1 2976.08,3144.71 2972.31,3143.57 2968.83,3141.71 2965.79,3139.21 2815.79,2989.21 2813.29,2986.17 2811.43,2982.69 2810.29,2978.92 2809.9,2975 2809.9,2883.32 2660.79,2734.21 2658.29,2731.17 2656.43,2727.69 2655.29,2723.92 2654.9,2720 2654.9,2560 2655.29,2556.08 2656.43,2552.31 2658.29,2548.83 2660.79,2545.79 2680.79,2525.79 2683.83,2523.29 2687.31,2521.43 2691.08,2520.29 2695,2519.9 2861.68,2519.9 2900.79,2480.79 2903.83,2478.29 2907.31,2476.43 2911.08,2475.29 2915,2474.9 3510,2474.9 3513.92,2475.29 3517.69,2476.43 3521.17,2478.29 3524.21,2480.79 3526.71,2483.83 3528.57,2487.31 3529.71,2491.08 3530.1,2495 3530.1,2691.68 3573.32,2734.9 3654.9,2734.9 3654.9,2715 3654.9,2700 3654.9,2295 3654.9,2195 3655.29,2191.08 3656.43,2187.31 3658.29,2183.83 3660.79,2180.79 3685.79,2155.79 3688.83,2153.29 3692.31,2151.43 3696.08,2150.29 3700,2149.9 4334.9,2149.9 4334.9,2035.1 2295,2035.1 2294.5,2035.05 2290.31,2035.38 2285.73,2036.48 2281.38,2038.28 2277.37,2040.74 2273.79,2043.79 2270.74,2047.37 2268.28,2051.38 2266.48,2055.73 2265.38,2060.31 2265.05,2064.5 2265.1,2065 2265.1,3419.9 3140,3419.9 3143.92,3420.29 3147.69,3421.43 3151.17,3423.29 3154.21,3425.79 3343.32,3614.9 4321.68,3614.9
AGND on GND (split plane): 5094.69,3914.62 5099.27,3913.52 5103.62,3911.72 5107.63,3909.26 5111.21,3906.21 5114.26,3902.63 5116.72,3898.62 5118.52,3894.27 5119.62,3889.69 5119.95,3885.5 5119.9,3885 5119.9,2065 5119.95,2064.5 5119.62,2060.31 5118.52,2055.73 5116.72,2051.38 5114.26,2047.37 5111.21,2043.79 5107.63,2040.74 5103.62,2038.28 5099.27,2036.48 5094.69,2035.38 5090.5,2035.05 5090,2035.1 4375.1,2035.1 4375.1,2356.68 4464.21,2445.79 4466.71,2448.83 4468.57,2452.31 4469.71,2456.08 4470.1,2460 4470.1,3515 4469.71,3518.92 4468.57,3522.69 4466.71,3526.17 4464.21,3529.21 4344.21,3649.21 4341.17,3651.71 4337.69,3653.57 4333.92,3654.71 4330,3655.1 3335,3655.1 3331.08,3654.71 3327.31,3653.57 3323.83,3651.71 3320.79,3649.21 3131.68,3460.1 2265.1,3460.1 2265.1,3885 2265.05,3885.5 2265.38,3889.69 2266.48,3894.27 2268.28,3898.62 2270.74,3902.63 2273.79,3906.21 2277.37,3909.26 2281.38,3911.72 2285.73,3913.52 2290.31,3914.62 2294.5,3914.95 2295,3914.9 5090,3914.9 5090.5,3914.95

## Keep-outs
Keep-Out Layer:
  the board outline again, w10

## Other copper
GND (plane layer: these items are gaps in the copper):
  lines w40: 2245,3440 2240,3440 3140,3440 3335,3635 4330,3635 4450,3515 4450,2460 4355,2365 4355,2015 ; 3255,3125 2980,3125 2830,2975 2830,2875 2675,2720 2675,2560 2695,2540 2870,2540 2915,2495 3510,2495 3510,2700 3565,2755 3675,2755 3675,2745 3675,2700 ; 3260,3130 3260,3340 3320,3400 3480,3400 3520,3360 3520,3135 3643.27,3135 ; 3615,2755 3635,2755 ; 3653.27,3125 3788.27,2990 4450,2990 ; 3675,2715 3675,2295 3675,2195 3700,2170 4345,2170 4355,2160 ; 4450,2590 4450,2925

## Silkscreen, mask and mechanical layers (free items; w line width, h text height)
Bottom Solder:
  text "VANILLAC / GS V1" at 4670,2050 h60

## Text inside footprints (layer, text, board x,y; h text height)
JP1: Top Overlay "2" at 3980,2305 h40; Top Overlay "1" at 3990,2205 h40; Top Overlay "14" at 4750,2305 h40; Top Overlay "13" at 4750,2205 h40
U1: Top Overlay "*" at 3212,3439.5 h50 r270; Mechanical 13 "*" at 3186,3372 h50 r270
U2: Top Overlay "+Vo" at 4267.88,2792.67 h30 r180; Top Overlay "NC" at 4050.21,2792.67 h30 r180; Top Overlay "0V" at 4147.28,2792.67 h30 r180; Top Overlay "GND" at 4763,2792.67 h30 r180; Top Overlay "Vin" at 4652.49,2792.67 h30 r180; Top Overlay "NC" at 4552.48,2792.67 h30 r180; Top Overlay "NC" at 4353,2792.67 h30 r180
U3: Top Overlay "*" at 3427.4,3291.25 h50 r270; Mechanical 13 "*" at 3389.4,3252 h50 r270
U4: Top Overlay "+Vo" at 4267.88,3237.67 h30 r180; Top Overlay "NC" at 4050.21,3237.67 h30 r180; Top Overlay "0V" at 4147.28,3237.67 h30 r180; Top Overlay "GND" at 4763,3237.67 h30 r180; Top Overlay "Vin" at 4652.49,3237.67 h30 r180; Top Overlay "NC" at 4552.48,3237.67 h30 r180; Top Overlay "NC" at 4353,3237.67 h30 r180
U5: Top Overlay "*" at 2892.4,3291.25 h50 r270; Mechanical 13 "*" at 2854.4,3252 h50 r270
U6: Top Overlay "*" at 2677,3439.5 h50 r270; Mechanical 13 "*" at 2651,3372 h50 r270